# Altium PCB ASR-2DF.PcbDoc (continued)
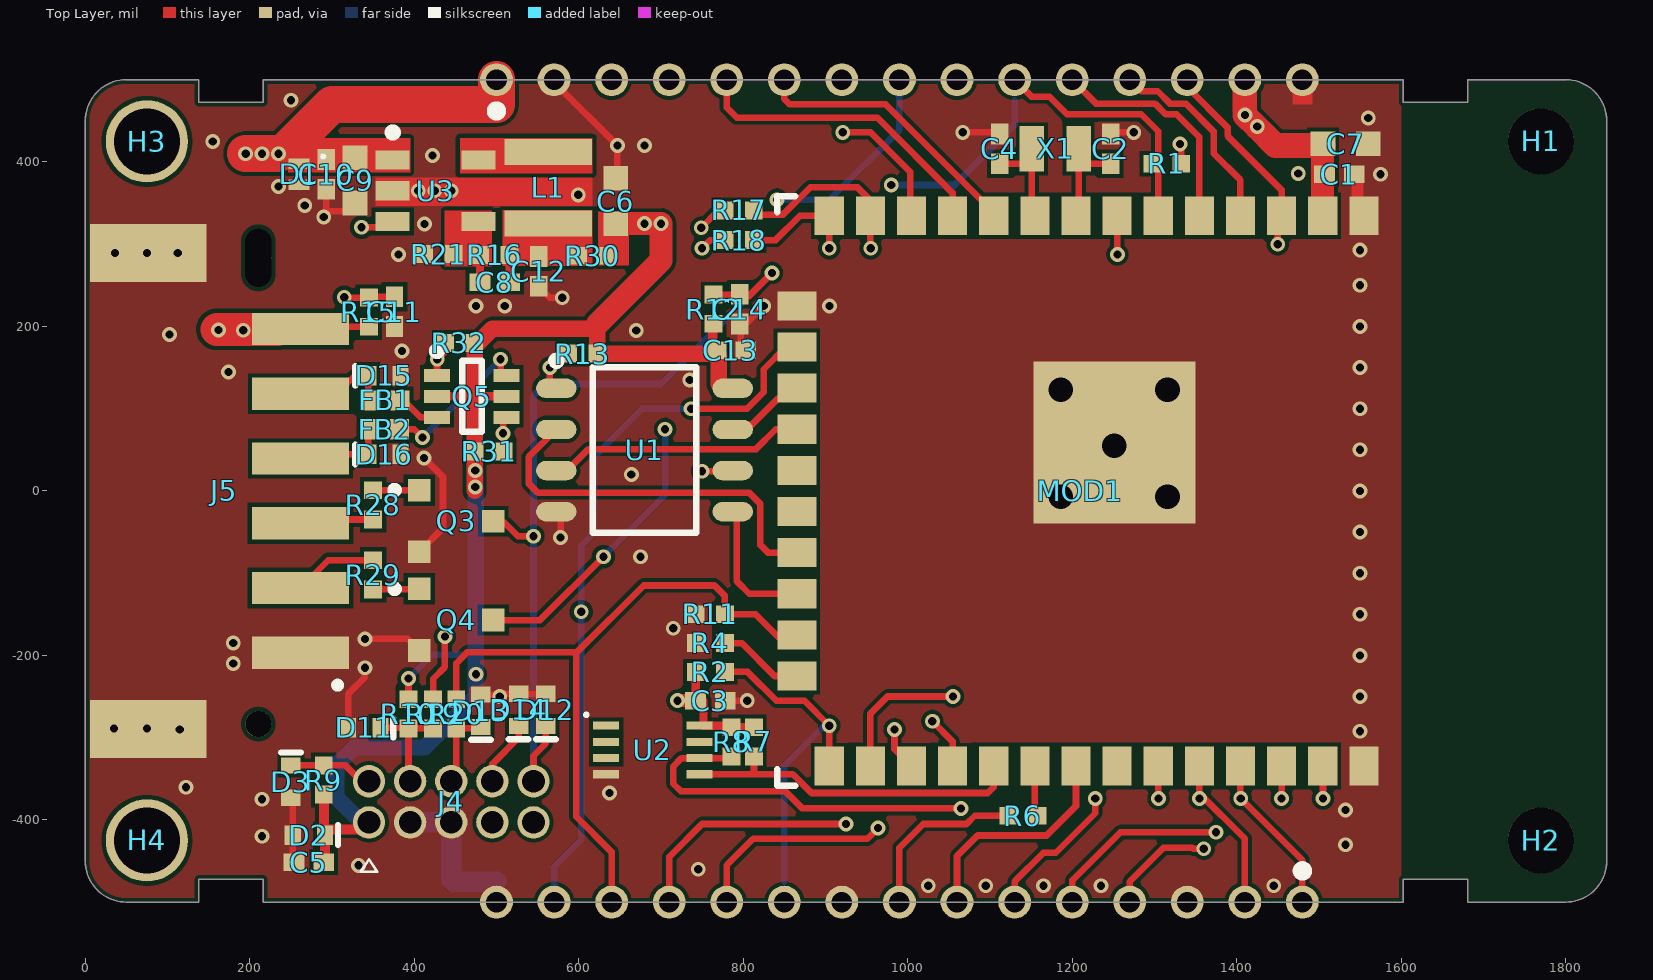
[diagram p0: Top Layer view]
## Part data
C1 C3 C10 C11 C13: library part 0402C-100n, "Capacitor 100nF X5R 50V 10% 0402", Case/Package=0402, Case Code (Metric)=1005, Dielectric=X5R, Manufacturer=Murata, Manufacturer Part Number=GRM155R61H104KE19D, Max Operating Temperature=85°C, Min Operating Temperature=-55°C, Supplier Part Number 1=81-GRM155R61H104KE9D, Tolerance=10%, Voltage=50V, Capacitance=100nF, Case Code (Imperial)=0402, Depth=0.5mm, Height=0.5mm, item_number=E-CAP-00090-00, Lead Free="Lead Free", Length=1mm, Mount="Surface Mount", Packaging="Tape and Reel", Pricing 1="1=0.1, 10=0.068, 50=0.068, 100=0.03, 1000=0.017, 10000=0.011 (USD)", REACH SVHC="No SVHC", Stock 1=727844, Supplier 1=Mouser, Thickness=0.022inch, Voltage Rating=50V, Voltage Rating (DC)=50V, Width=0.02inch
C2 C4: library part 0402C-18p, "Capacitor, 18pF, 50V, 1%, C0G", Case/Package=0402, Case Code (Metric)=1005, Dielectric=C0G, Manufacturer=Murata, Manufacturer Part Number=GJM1555C1H180FB01D, Max Operating Temperature=125°C, Min Operating Temperature=-55°C, Package Quantity=10000, Tolerance=1%, Voltage Rating=50V, Capacitance=18pF, Case Code (Imperial)=0402, Depth=0.5mm, Height=0.5mm, item_number=E-CAP-00110-00, Lead Free="Lead Free", Length=1mm, Mount="Surface Mount", Packaging="Tape and Reel", Radiation Hardening=No, REACH SVHC="No SVHC", Termination=SMD/SMT, Thickness=0.022inch, Voltage Rating (DC)=50V, Width=0.02inch
C5 C12 C14: library part 0402C-1u, "Capacitor 1uF X5R 6.3V 20% 0402", Capacitance - nF="1000 nF", Case Code - in=0402, Case Code - mm=1005, Dielectric=X5R, Manufacturer=SEM, Manufacturer Part Number=CL05A105KQ5NNNC, Maximum Operating Temperature="+ 85 C", Minimum Operating Temperature="- 55 C", Package / Case="0402 (1005 metric)", Tolerance="20 %", Voltage Rating DC="6.3 VDC", Brand=SEM, Capacitance=1uF, Category="Multilayer Ceramic Capacitors MLCC - SMD/SMT", Height="0.5 mm", item_number=E-CAP-00020-00, Length="1 mm", Minimum Order Quantity=1, Packaging="Cut Tape", Product="General Type MLCCs", Reeling=True, RoHS="RoHS Compliant", RoHS - Mouser=Y, Series=GRM, Standard Pack Qty=50000, Termination Style=SMD/SMT, Type="Chip Monolithic Ceramic Capacitor", Width="0.5 mm"
C6 C7: library part 0603C-10u, "Capacitor 10uF X5R 16V 20% 0603", Case/Package=0603, Case Code (Metric)=1608, Dielectric=X5R, Manufacturer=Murata, Manufacturer Part Number=GRM188R61C106MA73D, Max Operating Temperature=85°C, Min Operating Temperature=-55°C, Package Quantity=4000, Tolerance=20%, Voltage Rating=16V, Capacitance=10uF, Case Code (Imperial)=0603, Depth=0.8mm, Height=1mm, item_number=E-CAP-00100-00, Lead Free="Lead Free", Length=1.6mm, Material=Ceramic, Mount="Surface Mount", Packaging="Tape and Reel", REACH SVHC="No SVHC", Termination=SMD/SMT, Thickness=0.037inch, Voltage Rating (DC)=16V, Weight=0.000222oz, Width=0.8mm
C8: library part 0402C-20p, "Capacitor 20pF C0G 50V 1% 0402", Case/Package=0402, Case Code (Metric)=1005, Dielectric=C0G, Manufacturer=Murata, Manufacturer Part Number=GJM1555C1H200FB01D, Max Operating Temperature=125°C, Min Operating Temperature=-55°C, Package Quantity=10000, Tolerance=1%, Voltage Rating=50V, Capacitance=20pF, Case Code (Imperial)=0402, Depth=0.5mm, Height=0.5mm, item_number=E-CAP-00107-00, Lead Free="Lead Free", Length=1mm, Mount="Surface Mount", Packaging="Tape and Reel", Radiation Hardening=No, REACH SVHC="No SVHC", Termination=SMD/SMT, Thickness=0.022inch, Voltage Rating (DC)=50V, Width=0.02inch
C9: library part 0603C-2u2, "Capacitor 2.2uF X5R 25V 10% 0603", Case/Package=0603, Case Code (Metric)=1608, Dielectric=X5R, Manufacturer=Murata, Manufacturer Part Number=GRM188R61E225KA12D, Max Operating Temperature=85°C, Min Operating Temperature=-55°C, Package Quantity=4000, Tolerance=10%, Voltage Rating=25V, Capacitance=2.2uF, Case Code (Imperial)=0603, Depth=0.8mm, Height=0.9mm, item_number=E-CAP-00108-00, Lead Free="Lead Free", Length=1.6mm, Material=Ceramic, Mount="Surface Mount", Packaging="Tape and Reel", REACH SVHC="No SVHC", Termination=SMD/SMT, Thickness=0.037inch, Voltage Rating (DC)=25V, Weight=0.000222oz, Width=0.8mm
D1: "Diode TVS", Capacitance=0.3pF, Clamping Voltage=38V, Leakage Current=50nA, Manufacturer=Littelfuse, Max Operating Temperature=125°C, Max Power Dissipation=76W, Min Breakdown Voltage=-, Min Operating Temperature=-40°C, Operating Supply Voltage=18V, Package Quantity=10000, Peak Pulse Current=2A, Power Line Protection=Yes, Direction=Bidirectional, Element Configuration=Single, item_number=E-DIO-00011-00, Lead Free="Lead Free", Length=1mm, Manufacturer Part Number=SP3118-01ETG, Mount="Surface Mount", Number of Bidirectional Channels=1, Number of Channels=1, Number of Pins=2, Packaging="Tape and Reel", Peak Pulse Power=76W, Polarity=Bidirectional, Radiation Hardening=No, REACH SVHC="No SVHC", Reverse Standoff Voltage=18V, Termination=SMD/SMT, Working Voltage=18V
D2 D3 D11 D12 D13 D14 D15 D16: "Diode TVS", Breakdown Voltage=6.5V, Capacitance=0.5pF, Clamping Voltage=14V, Leakage Current=10nA, Manufacturer="Texas Instruments", Manufacturer Part Number=TPD1E05U06DPYR, Max Operating Temperature=125°C, Max Power Dissipation=40W, Min Breakdown Voltage=6V, Min Operating Temperature=-40°C, Operating Supply Voltage=5.5V, Package Quantity=10000, Peak Pulse Current=2.5A, Power Line Protection=Yes, Supplier Part Number 1=296-39341-1-ND, ComponentLink1Description=https://datasheet.ciiva.com/12545/tpd1e05u06-224685-12545140.pdf, ComponentLink1URL=https://datasheet.ciiva.com/12545/tpd1e05u06-224685-12545140.pdf, ComponentLink2Description=https://datasheet.ciiva.com/26918/getdatasheetpartid-700473-26918022.pdf, ComponentLink2URL=https://datasheet.ciiva.com/26918/getdatasheetpartid-700473-26918022.pdf, ComponentLink3Description=https://datasheet.ciiva.com/6574/tpd1e05u06-6574667.pdf, ComponentLink3URL=https://datasheet.ciiva.com/6574/tpd1e05u06-6574667.pdf, Direction=Unidirectional, Element Configuration=Single, Interface=LVDS,USB,Ethernet,HDMI,PCIe,SATA, item_number=E-DIO-00008-00, Lead Free="Lead Free", Length=1.1mm, Mount="Surface Mount", Number of Bidirectional Channels=1, Number of Channels=1, Number of Pins=2, Packaging="Tape and Reel", Peak Pulse Power=40W, Polarity=Bidirectional, Pricing 1="1=0.5, 10=0.372, 100=0.2107, 500=0.1395, 1000=0.107 (USD)", Radiation Hardening=No, REACH SVHC="No SVHC", Reverse Standoff Voltage=5.5V, Stock 1=161045, Supplier 1=Digi-Key, Termination=SMD/SMT, Working Voltage=5.5V
FB1 FB2: "FERRITE BEAD 120OHM 0402 1LN", Manufacturer=Murata, Manufacturer Part Number=BLM15AG121SN1D, CLASS=DISCRETE, item_number=E-IND-00038-00
H1 H2: "0.08\" Unplated Hole with 0.1\" keepout, #2 screw"
H3 H4: "0.08\" Plated Hole, #2 screw"
J2 J3: "0.07\" castellated board edge connector 15 positions"
J4: ".050 Male Header 2x5", Manufacturer Part Number=GRPB052VWVN-RC, item_number=M-CON-00016-00
J5: "JST PA-Family Vertical Header 2mm", Manufacturer=JST, Manufacturer Part Number=BM06B-PASS-1-TFT, item_number=M-CON-00088
L1: library part ASPI-0315FS-100M, "Inductor 10uH 1.1A 0.22ohm 20% 3x3", Manufacturer=Abracon, item_number=E-IND-00043-00, Manufacturer Part Number=ASPI-0315FS-100M
MOD1: "Module WIFI BLE ESP32-D0WD SPI Flash", Manufacturer=Espressif, item_number=E-ICS-00097-00, Manufacturer Part Number=ESP32-WROOM-32D, Size="25.5mm x 18mm"
Q3 Q4: "TR NPN BJT 200mA 40V", Manufacturer="On Semiconductor", Manufacturer Part Number=MMBT3904LT1G, Package/Case=SOT23, ComponentLink1Description="Manufacturer Link", ComponentLink1URL=http://www.fairchildsemi.com/, ComponentLink2Description=Datasheet, ComponentLink2URL=http://www.fairchildsemi.com/ds/2N%2F2N3904.pdf, item_number=E-TRS-00002-00
Q5: "TR 2xNFET 170mA 60V", Case/Package=SOT-363, Manufacturer=Toshiba, Manufacturer Part Number=SSM6N7002CFU.LF, item_number=E-TRS-00009-00
R1 R2 R4 R11 R12 R13 R28 R29 R31 R32: library part 0402R-10k, "Resistor 10K 50V 5% 0402", Case/Package=0402, Case Code (Metric)=1005, Manufacturer="Vishay Dale", Manufacturer Part Number=CRCW040210K0JNED, Max Operating Temperature=155°C, Max Power Dissipation=63mW, Min Operating Temperature=-55°C, Package Quantity=1, Supplier Part Number 1=541-10KJCT-ND, Temperature Coefficient=200ppm/°C, Tolerance=5%, Voltage Rating=50V, Case Code (Imperial)=0402, ComponentLink1Description=https://datasheet.ciiva.com/2461/dcrcwe3-2461974.pdf, ComponentLink1URL=https://datasheet.ciiva.com/2461/dcrcwe3-2461974.pdf, ComponentLink2Description=https://datasheet.ciiva.com/2461/dcrcwe3-2461975.pdf, ComponentLink2URL=https://datasheet.ciiva.com/2461/dcrcwe3-2461975.pdf, ComponentLink3Description=https://datasheet.ciiva.com/2461/dcrcwe3-2461976.pdf, ComponentLink3URL=https://datasheet.ciiva.com/2461/dcrcwe3-2461976.pdf, ComponentLink4Description=https://datasheet.ciiva.com/7743/dcrcwe3-7743416.pdf, ComponentLink4URL=https://datasheet.ciiva.com/7743/dcrcwe3-7743416.pdf, ComponentLink5Description=https://datasheet.ciiva.com/16771/70201119-16771096.pdf, ComponentLink5URL=https://datasheet.ciiva.com/16771/70201119-16771096.pdf, ComponentLink6Description=https://datasheet.ciiva.com/7743/dcrcwe3-7743417.pdf, ComponentLink6URL=https://datasheet.ciiva.com/7743/dcrcwe3-7743417.pdf, ComponentLink7Description=https://datasheet.ciiva.com/16761/70201119-16761947.pdf, ComponentLink7URL=https://datasheet.ciiva.com/16761/70201119-16761947.pdf, ComponentLink8Description=https://datasheet.ciiva.com/3255/dcrcwe3-3255964.pdf, ComponentLink8URL=https://datasheet.ciiva.com/3255/dcrcwe3-3255964.pdf, ComponentLink9Description=https://datasheet.ciiva.com/3255/dcrcwe3-3255965.pdf, ComponentLink9URL=https://datasheet.ciiva.com/3255/dcrcwe3-3255965.pdf, Composition="Thick Film", Contact Plating=Tin, Depth=0.5mm, Features="Automotive AEC-Q200", Height=0.016inch, item_number=E-RES-00001-00, Length=1mm, Military Standard=Not, Mount="Surface Mount", Number of Terminations=2, Packaging="Tape and Reel", Power Rating=63mW, Pricing 1="1=0.1, 10=0.031, 100=0.0125, 1000=0.0056, 2500=0.0049, 5000=0.004 (USD)", Radiation Hardening=No, REACH SVHC=Unknown, Resistance=10k, Stock 1=0, Supplier 1=Digi-Key, Termination=SMD/SMT, Weight=2.3E-05oz, Width=0.5mm
R6 R17 R18 R19 R20: library part 0402R-100R, "Resistor 100R 50V 5% 0402", Case/Package=0402, Case Code (Metric)=1005, Manufacturer=Panasonic, Manufacturer Part Number=ERJ-2GEJ101X, Max Operating Temperature=155°C, Max Power Dissipation=100mW, Min Operating Temperature=-55°C, Package Quantity=10, Temperature Coefficient=100ppm/°C, Tolerance=5%, Voltage Rating=50V, Case Code (Imperial)=0402, Composition="Thick Film", Contact Plating=Tin, Depth=0.5mm, Features="Automotive AEC-Q200", Height=0.35mm, item_number=E-RES-00008-00, Lead Free="Lead Free", Length=1mm, Military Standard=Not, Mount="Surface Mount", Number of Terminations=2, Packaging="Tape and Reel", Power Rating=100mW, Pricing 1="1=0.1, 10=0.044, 100=0.0178, 1000=0.008, 2500=0.007, 5000=0.0058 (USD)", Radiation Hardening=No, REACH SVHC=Unknown, Resistance=100, Termination=SMD/SMT, Voltage Rating (DC)=50V, Weight=2.3E-05oz, Width=0.02inch, Working Voltage=50V
R7 R8: library part 0402R-4k7, "Resistor 4.7K 50V 5% 0402", Case/Package=0402, Case Code (Metric)=1005, Manufacturer=Panasonic, Manufacturer Part Number=ERJ-2GEJ472X, Max Operating Temperature=155°C, Max Power Dissipation=100mW, Min Operating Temperature=-55°C, Package Quantity=1, Supplier Part Number 1=P4.7KJCT-ND, Temperature Coefficient=200ppm/°C, Tolerance=5%, Voltage Rating=50V, Case Code (Imperial)=0402, ComponentLink1Description=https://datasheet.ciiva.com/11821/0900766b80f806dd-11821328.pdf, ComponentLink1URL=https://datasheet.ciiva.com/11821/0900766b80f806dd-11821328.pdf, ComponentLink2Description=https://datasheet.ciiva.com/16758/70260739-16758341.pdf, ComponentLink2URL=https://datasheet.ciiva.com/16758/70260739-16758341.pdf, ComponentLink3Description=https://datasheet.ciiva.com/16770/70260739-16770309.pdf, ComponentLink3URL=https://datasheet.ciiva.com/16770/70260739-16770309.pdf, ComponentLink4Description=https://datasheet.ciiva.com/28514/1678796-28514168.pdf, ComponentLink4URL=https://datasheet.ciiva.com/28514/1678796-28514168.pdf, ComponentLink5Description=https://datasheet.ciiva.com/17213/aoa0000ce1-17213178.pdf, ComponentLink5URL=https://datasheet.ciiva.com/17213/aoa0000ce1-17213178.pdf, ComponentLink6Description=https://datasheet.ciiva.com/16523/aoa0000ce1-16523499.pdf, ComponentLink6URL=https://datasheet.ciiva.com/16523/aoa0000ce1-16523499.pdf, ComponentLink7Description=https://datasheet.ciiva.com/46377/1678796-46377565.pdf, ComponentLink7URL=https://datasheet.ciiva.com/46377/1678796-46377565.pdf, Composition="Thick Film", Contact Plating=Tin, Depth=0.5mm, Features="Automotive AEC-Q200", Height=0.35mm, item_number=E-RES-00039-00, Lead Free="Lead Free", Length=1mm, Military Standard=Not, Mount="Surface Mount", Number of Terminations=2, Packaging="Cut Tape", Power Rating=100mW, Pricing 1="1=0.1, 10=0.038, 100=0.0154, 1000=0.0069, 2500=0.006, 5000=0.005 (USD)", Radiation Hardening=No, REACH SVHC="No SVHC", Resistance=4.7k, Stock 1=10404054, Supplier 1=Digi-Key, Termination=SMD/SMT, Voltage Rating (DC)=50V, Width=0.5mm
R9 R10: library part 0402R-100k, "Resistor 100K 50V 5% 0402", Case/Package=0402, Case Code (Metric)=1005, Manufacturer=Panasonic, Manufacturer Part Number=ERJ-2GEJ104X, Max Operating Temperature=155°C, Max Power Dissipation=100mW, Min Operating Temperature=-55°C, Package Quantity=1, Supplier Part Number 1=P100KJCT-ND, Temperature Coefficient=200ppm/°C, Tolerance=5%, Voltage Rating=50V, Case Code (Imperial)=0402, ComponentLink1Description=https://datasheet.ciiva.com/11821/0900766b80f806dd-11821174.pdf, ComponentLink1URL=https://datasheet.ciiva.com/11821/0900766b80f806dd-11821174.pdf, ComponentLink2Description=https://datasheet.ciiva.com/22758/1500035-22758198.pdf, ComponentLink2URL=https://datasheet.ciiva.com/22758/1500035-22758198.pdf, ComponentLink3Description=https://datasheet.ciiva.com/34303/1986799-34303543.pdf, ComponentLink3URL=https://datasheet.ciiva.com/34303/1986799-34303543.pdf, ComponentLink4Description=https://datasheet.ciiva.com/24023/aoa0000ce1-37422-24023480.pdf, ComponentLink4URL=https://datasheet.ciiva.com/24023/aoa0000ce1-37422-24023480.pdf, ComponentLink5Description=https://datasheet.ciiva.com/16777/70260739-16777321.pdf, ComponentLink5URL=https://datasheet.ciiva.com/16777/70260739-16777321.pdf, ComponentLink6Description=https://datasheet.ciiva.com/16759/70260739-16759692.pdf, ComponentLink6URL=https://datasheet.ciiva.com/16759/70260739-16759692.pdf, ComponentLink7Description=https://datasheet.ciiva.com/48531/aoa0000ce1-48531084.pdf, ComponentLink7URL=https://datasheet.ciiva.com/48531/aoa0000ce1-48531084.pdf, ComponentLink8Description=https://datasheet.ciiva.com/9186/aoa0000ce1-9186685.pdf, ComponentLink8URL=https://datasheet.ciiva.com/9186/aoa0000ce1-9186685.pdf, ComponentLink9Description=https://datasheet.ciiva.com/30204/4aoa0000ce1-30204557.pdf, ComponentLink9URL=https://datasheet.ciiva.com/30204/4aoa0000ce1-30204557.pdf, ComponentLink10Description=https://datasheet.ciiva.com/46389/1500035-46389645.pdf, ComponentLink10URL=https://datasheet.ciiva.com/46389/1500035-46389645.pdf, Composition="Thick Film", Contact Plating=Tin, Depth=0.5mm, Features="Automotive AEC-Q200", Height=0.35mm, item_number=E-RES-00012-00, Lead Free="Lead Free", Length=1mm, Military Standard=Not, Mount="Surface Mount", Number of Terminations=2, Packaging="Tape and Reel", Power Rating=100mW, Pricing 1="1=0.1, 10=0.038, 100=0.0154, 1000=0.0069, 2500=0.006, 5000=0.005 (USD)", Radiation Hardening=No, REACH SVHC="No SVHC", Resistance=100k, Stock 1=10583442, Supplier 1=Digi-Key, Termination=SMD/SMT, Voltage Rating (DC)=50V, Width=0.02inch
R15: library part 0402R-200k, "Resistor 200K 50V 1% 0402", Case/Package=0402, Case Code (Metric)=1005, Manufacturer=Panasonic, Manufacturer Part Number=ERJ-2RKF2003X, Max Operating Temperature=155°C, Max Power Dissipation=100mW, Min Operating Temperature=-55°C, Package Quantity=1, Temperature Coefficient=200ppm/°C, Tolerance=1%, Voltage Rating=50V, Case Code (Imperial)=0402, Composition="Thick Film", Contact Plating=Tin, Depth=0.5mm, Features="Automotive AEC-Q200", Height=0.35mm, item_number=E-RES-00054-00, Lead Free="Lead Free", Length=1mm, Military Standard=Not, Mount="Surface Mount", Number of Terminations=2, Packaging="Tape and Reel", Power Rating=100mW, Radiation Hardening=No, REACH SVHC="No SVHC", Resistance=200K, Termination=SMD/SMT, Voltage Rating (DC)=50V, Width=0.02inch
R16: library part 0402R-680k, "Resistor 680K 50V 5% 0402", Case/Package=0402, Case Code (Metric)=1005, Manufacturer=Panasonic, Manufacturer Part Number=ERJ-2GEJ684X, Max Operating Temperature=155°C, Max Power Dissipation=100mW, Min Operating Temperature=-55°C, Package Quantity=1, Supplier Part Number 1=P100KJCT-ND, Temperature Coefficient=200ppm/°C, Tolerance=5%, Voltage Rating=50V, Case Code (Imperial)=0402, Composition="Thick Film", Contact Plating=Tin, Depth=0.5mm, Features="Automotive AEC-Q200", Height=0.35mm, item_number=E-RES-00093-00, Lead Free="Lead Free", Length=1mm, Military Standard=Not, Mount="Surface Mount", Number of Terminations=2, Packaging="Tape and Reel", Power Rating=100mW, Radiation Hardening=No, REACH SVHC="No SVHC", Resistance=680k, Stock 1=10583442, Supplier 1=Digi-Key, Termination=SMD/SMT, Voltage Rating (DC)=50V, Width=0.02inch
R21: library part 0402R-200k, "Resistor 200K 50V 1% 0402", Case/Package=0402, Case Code (Metric)=1005, Manufacturer=Panasonic, Manufacturer Part Number=ERJ-2RKF2003X, Max Operating Temperature=155°C, Max Power Dissipation=100mW, Min Operating Temperature=-55°C, Package Quantity=1, Resistance=200K, Temperature Coefficient=200ppm/°C, Tolerance=1%, Voltage Rating=50V, Case Code (Imperial)=0402, Composition="Thick Film", Contact Plating=Tin, Depth=0.5mm, Features="Automotive AEC-Q200", Height=0.35mm, item_number=E-RES-00054-00, Lead Free="Lead Free", Length=1mm, Military Standard=Not, Mount="Surface Mount", Number of Terminations=2, Packaging="Tape and Reel", Power Rating=100mW, Radiation Hardening=No, REACH SVHC="No SVHC", Termination=SMD/SMT, Voltage Rating (DC)=50V, Width=0.02inch
R30: library part 0402R-0R0, "Resistor 0R 50V 1% 0402", Case/Package=0402, Case Code (Metric)=1005, Manufacturer=Yageo, Manufacturer Part Number=RC0402FR-070RL, Max Operating Temperature=155°C, Min Operating Temperature=-55°C, Power Rating=62.5mW, Resistance=0mR, Supplier Part Number 1=603-RC0402FR-070RL, Temperature Coefficient=200ppm/°C, Tolerance=1%, Voltage Rating=50V, Case Code (Imperial)=0402, ComponentLink1Description=https://datasheet.ciiva.com/8896/pyu-rc0402-51-rohs-l-6-8896149.pdf, ComponentLink1URL=https://datasheet.ciiva.com/8896/pyu-rc0402-51-rohs-l-6-8896149.pdf, ComponentLink2Description=https://datasheet.ciiva.com/16790/pyu-rc0402-51-rohs-l-6-r-16790444.pdf, ComponentLink2URL=https://datasheet.ciiva.com/16790/pyu-rc0402-51-rohs-l-6-r-16790444.pdf, ComponentLink3Description=https://datasheet.ciiva.com/28419/pyu-rc0402-51-rohs-l-6-28419661.pdf, ComponentLink3URL=https://datasheet.ciiva.com/28419/pyu-rc0402-51-rohs-l-6-28419661.pdf, ComponentLink4Description=https://datasheet.ciiva.com/16869/pyu-rc0402-51-rohs-l-6-16869518.pdf, ComponentLink4URL=https://datasheet.ciiva.com/16869/pyu-rc0402-51-rohs-l-6-16869518.pdf, Composition="Thick Film", Contact Plating=Tin,Matte, Height=0.35mm, item_number=E-RES-00006-00, Lead Free="Lead Free", Length=1mm, Packaging="Tape and Reel", Pricing 1="1=0.1, 10=0.01, 50=0.01, 100=0.003, 1000=0.002, 10000=0.002 (USD)", Radiation Hardening=No, Stock 1=240535, Supplier 1=Mouser, Termination=SMD/SMT, Width=0.5mm
TP1 TP2 TP3 TP4 TP5 TP6 TP7 TP8 TP9: "1mm Test Point", item_number=item_name
U1: "Memory SPI/QPI PSRAM 8MB SOIC8 150mil", Manufacturer=IPUS, Manufacturer Part Number=IPS6404L-SQ-SPN, Package / Case="8 SOIC 150mil", item_number=E-ICS-00099-00
U2: "Afero Custom CryptoAuthentication Device", Manufacturer="Microchip / Atmel", Manufacturer Part Number=ATECC508A-MAHKN-T, Max Operating Temperature=85°C, Min Operating Temperature=-40°C, Supplier Part Number 1=ATECC508A-MAHDA-TCT-ND, item_number=E-ICS-00072-00, Mount="Surface Mount", Packaging="Tape and Reel", Pricing 1="1=0.35, 25=0.32, 100=0.29 (USD)", Stock 1=4638, Supplier 1=Digi-Key
U3: "Voltage Regulator 0.5A 500KHz Buck", Manufacturer=Torex, Package / Case=SOT25, item_number=E-ICS-00096-00, Manufacturer Part Number=XC9264B755MR
X1: library part ABS06-32.768KHZ-T, "Crystal, 32.768kHz ±20ppm", Case/Package=SMD/SMT, ESR (Equivalent Series Resistance)=90kR, Frequency Stability=20ppm, Insulation Resistance=500MR, Load Capacitance=12.5pF, Manufacturer=Abracon, Max Operating Temperature=85°C, Min Operating Temperature=-40°C, Package Quantity=3000, Supplier Part Number 1=535-10104-1-ND, ComponentLink1Description=http://www.farnell.com/datasheets/1796520.pdf, ComponentLink1URL=http://www.farnell.com/datasheets/1796520.pdf, ComponentLink2Description=https://abracon.com/Support/PackageDrawing/Resonators/ABS06.PDF, ComponentLink2URL=https://abracon.com/Support/PackageDrawing/Resonators/ABS06.PDF, ComponentLink3Description=http://www.farnell.com/datasheets/1912788.pdf, ComponentLink3URL=http://www.farnell.com/datasheets/1912788.pdf, ComponentLink4Description=http://www.abracon.com/Resonators/ABS06.pdf, ComponentLink4URL=http://www.abracon.com/Resonators/ABS06.pdf, Depth=1.2mm, Frequency=32.768kHz, Frequency Tolerance=20ppm, Height=0.024inch, item_number=E-XTL-00012-00, Lead Free="Lead Free", Length=2mm, Manufacturer Part Number=ABS06-32.768KHZ-T, Mount="Surface Mount", Number of Pins=2, Packaging="Tape and Reel", Pricing 1="1=1.34, 10=1.277, 50=1.2474, 100=1.0692, 500=1.0395, 1000=0.8762 (USD)", Radiation Hardening=No, REACH SVHC="No SVHC", Series Resistance=90kR, Stock 1=65982, Supplier 1=Digi-Key, Termination=SMD/SMT, Tolerance=20ppm, Width=1.2mm

## Via types
v1: diameter 18, hole 10, Top Layer to Bottom Layer, tented both sides, 126 vias
v2: diameter 40, hole 30, Top Layer to Bottom Layer, 5 vias

## Nets (pads, with @x,y where several pads share a name; then routed paths per layer and width w, separated by ;. In a path a pad name is that pad's centre, name@x,y a point inside that pad or via, vN(x,y) a via of type N, cw(c..) or ccw(c..) an arc to the next point about the centre after c; other vN are vias at no path point)
3V3: C1.1 C3.1 C5.1 C6.1 C7.1 C13.1 D2.1 J2.14 J4.1 MOD1.2 Q5.2 Q5.5 R1.1 R2.1 R7.1 R8.1 R9.1 R10.1 R12.1 R13.1 R30.1 R31.1 R32.1 TP2.1 U1.8 U2.8 | length 3243.3
  Top Layer w8: D2.1@290.18,-415.17 D2.1@291.54,-416.54 ; R10.1 v1(393,-228) ; R32.1 R32.1@473.45,179.27 ; R30.1@626.77,290 R30.1@627.4,289.37 ; U2.8@751.69,-285.47 U2.8@751.89,-285.27 ; R8.1@783.82,-285.47 R8.1 ; v1(1331,422) 1331,422.57 1330,423.57 1332.72,426.28 R1.1
  Top Layer w10: Q5.2 473.45,115 Q5.5 ; R2.1 742.28,-254.61 C3.1 751.89,-255 U2.8@751.89,-285.27 ; U2.8@751.69,-285.47 R8.1@783.82,-285.47 ; R8.1 R7.1
  Top Layer w12: D2.1@290.18,-415.17 R9.1@290.18,-374.25 ; 291.54,-438.41 D2.1 ; D2.1@291.54,-411.54 336.46,-411.54 J4.1 ; C13.1@763,172.62 R12.1@763,202.28
  Top Layer w16: v1(720,-255) C3.1
  Top Layer w20: v1@473.45,0 R31.1 ; R31.1@473.45,54.37 473.45,115 R32.1@473.45,175.73 ; R32.1@473.45,179.27 R32.1@473.45,175.73 ; R13.1 C13.1@766.89,167 ; R13.1@622.72,175 622.72,197 ; 622.72,202.72 622.72,197 ; U1.8@770,130 C13.1@770,165 ; R32.1@473.45,175.73 494.72,197 622.72,197
  Top Layer w28: 622.72,202.72 700,280 v1(700,325) v1(680,325) C6.1 ; MOD1.2 C7.1@1504.64,412.34
  Top Layer w30: J2.14@1410,500 v1(1410,457) 1425,442 1447,420 C7.1@1505,420
  Signal Layer 2 w8: 1330,404 1331,405 v1(1331,422)
  Signal Layer 2 w14: v1(475,-223) 522,-223 554,-255 v1(720,-255)
  Signal Layer 2 w35: v1(680,325) v1(700,325) 700,335 769,404 1330,404 1381,404 1410,433 v1(1410,457) J2.14@1410,500
  Bottom Layer w8: v1(393,-228) 422,-199 475,-199
  Bottom Layer w20: J4.1 335.75,-403 305,-372.25 305,-334 327,-312 412.82,-312 475,-249.82 v1(475,-223) 475,-199 475,4 v1(474.28,4.72) v1(474.28,24.72)
  Bottom Layer w30: v1(1410,457) 1424,443 v1(1425,443)
BM_SEL: J3.10 MOD1.25 R2.2 TP6.1 | length 419
  Top Layer w8: R2.2 805.27,-220 840.27,-255 874.17,-255 v1(904.64,-285.47) MOD1.25
  Bottom Layer w8: TP6.1 850,-334 898.53,-285.47 v1(904.64,-285.47)
EN_3V3: C11.1 R15.2 U3.3 | length 178.5
  Top Layer w8: v1@314.87,235.06 R15.2 ; v1(336,320.63) U3.3@359.87,320.63 ; R15.2@344.47,236.22 344.87,235.83 345.26,236.22 C11.1@374.87,236.22
  Signal Layer 2 w8: v1(315,235.46) 315,299.63 v1(336,320.63)
FACTORY_MODE_N: J2.10 MOD1.6 Q4.3 R1.2 TP7.1 | length 1376.9
  Top Layer w8: Q4.3 553,-157 v1(630,-80) ; J2.10@1130,500 1150.52,479.48 1172.08,479.48 1193.55,458 1284,458 1304.64,437.36 MOD1.6
  Signal Layer 2 w8: v1(705,75) 705,210 779,284 779,341 810,372 v1(980,372)
  Bottom Layer w8: v1(630,-80) 705,-5 v1(705,75) ; v1(980,372) 1054.57,372 1055.78,370.78 1130,445 TP7.1
GND: C1.2 C2.2 C3.2 C4.2 C5.2 C6.2 C7.2 C9.2 C10.2 C11.2 C12.2 C13.2 C14.2 D1.2 D2.2 D3.2 D11.2 D12.2 D13.2 D14.2 D15.2 D16.2 J2.2 J2.15 J3.3 J3.9 J3.15 J4.3 J4.5 J5.1 J5.7 J5.8 MOD1.1 MOD1.15 MOD1.38 MOD1.39 Q3.2 Q4.2 R4.2 R11.2 R21.1 TP1.1 U1.4 U2.4 U3.2 | length 1114.7
  Top Layer w8: D3.2 252.17,-375.36 D2.2 252.17,-449.82 C5.2 ; v1(290,333) 293,336 C10.2 ; 297,340 316,340 C9.2@326,350 ; D11.2 319.63,-247 340,-226.63 v1(340,-215) ; v1(340,-180) 392.11,-180 Q4.2 ; Q3.2 435,-45.11 435,16.84 v1(411.84,40) ; D13.2 501.63,-247.63 502.63,-246.63 D14.2 D12.2 ; C12.2 565.11,235 v1(580,235) ; J2.2@570,500 570,497 v1(647,420) 647,389.68 C6.2@637.32,380 ; U1.4 578,-30.57 v1(578,-56.78) ; C3.2 v1(805,-255) ; C14.2@795.28,200.36 C14.2@797.28,200.36 ; C13.2@797.28,174.83 C14.2@797.28,200.36 ; v1(825,225) 800.36,200.36 C14.2@797.28,200.36 ; v1(1066.98,436) 1106.11,436 C4.2@1108,434.11 ; C2.2@1251,434.11 1251.11,434 1254.11,437 1255.11,436 v1(1275,436)
  Top Layer w15: MOD1.1@1547,346.17 C1.2@1547,385
  Bottom Layer w25: J4.3 J4.5 445,-472.44 447.56,-475 J3.15@500,-475
  other v1: 1025,-480 1095,-480 1165,-480 1235,-480 1445,-480 745.46,-460 332.32,-455.28 1532.32,-430.28 215,-420 1532.32,-388.08 215,-375 637.32,-367.28 122.32,-360.28 1550,-292.15 115,-290 35,-289 75,-289 504,-250 1550,-250 180,-210 1550,-200 180,-185 715,-167 1550,-150 1550,-100 675,-80 1550,-50 1550,0 664,20 1550,50 1550,100 734.95,134.72 174.32,144.72 1550,150 385,170 102.32,190.11 670,195.11 1550,200 475,225 510,225 905,225 1550,250 381,287.59 36,289.4 75,289.4 112.32,289.4 1550,292.78 412.32,324.72 266.87,347 599.49,360 405,365 425,365 445,365 235,370 1575,385.15 1475,386 422.32,407.72 680,420 155,425 1560,453.61 250,475
  other v2: 1186,-7 1316,-7 1251,55 1186,123 1316,123
HOST_INT_N: J3.5 MOD1.36 | length 361.6
  Top Layer w8: J3.5@1200,-500 1200,-473.74 1258.74,-415 v1(1375,-415) ; v1(1454.64,-374) MOD1.36
  Signal Layer 2 w8: v1(1375,-415) 1413.64,-415 v1(1454.64,-374)
HOST_UART_RX: J3.1 MOD1.35 Q5.4 R31.2 TP4.1 | length 1499.1
  Top Layer w8: R31.2 508,48.88 v1(508,70) 508,85.09 Q5.4 ; MOD1.35 1404.64,-368.64 v1@1405,-369 ; v1(1405,-374) 1480,-449 J3.1@1480,-500
  Signal Layer 2 w8: v1(508,70) 573,70 840,-197 840,-395 900,-455 1295,-455 1358,-392 1376,-392 1394,-374 v1(1405,-374)
HOST_UART_TX: J3.2 MOD1.34 Q5.1 R32.2 TP3.1 | length 1571.5
  Top Layer w8: Q5.1 427.68,159.68 v1(428,160) 437.28,169.28 R32.2 ; MOD1.34 1354.64,-367.64 v1@1355,-368 ; v1(1355,-374) v1@1355,-368 ; J3.2@1410,-500 1410,-423 v1@1355,-368
  Signal Layer 2 w8: v1(428,160) 481.7,106.3 603.7,106.3 864,-154 864,-386 912,-434 1284.21,-434 1344.21,-374 v1(1355,-374)
IO0: J2.5 MOD1.11 | length 379.2
  Top Layer w8: J2.5@780,500 780,466.06 792.06,454 963,454 1054.64,362.36 MOD1.11
IO1: J2.6 MOD1.10 | length 339.2
  Top Layer w8: J2.6@850,500 850,476.62 856.62,470 973.35,470 1104.64,338.71 MOD1.10
IO2: J2.7 MOD1.12 | length 236.3
  Top Layer w8: J2.7@920,486 J2.7@920,500 ; v1(921,436) 955,436 1003,388 1003,336.28 MOD1.12
  Signal Layer 2 w8: J2.7@920,500 921,501 v1(921,436)
IO3: J2.8 MOD1.26 | length 1143.1
  Top Layer w8: MOD1.26 954.64,-270.81 975.45,-250 v1(1055,-250)
  Signal Layer 2 w8: v1(841,354) 838,354 804,320 804,161 1055,-90 v1(1055,-250)
  Bottom Layer w8: v1(841,354) 905,354 990,439 990,475 J2.8@990,500
MTCK: J3.14 MOD1.16 R19.1 | length 1127
  Top Layer w8: R19.1 423,-228.28 437.28,-214 v1(437.28,-177) ; v1(736.69,100) 804.79,100 825,120.21 825,147.91 MOD1.16@852.09,175
  Signal Layer 2 w8: v1(437.28,-177) 572,-177 602,-147 v1(603,-147)
  Bottom Layer w8: J3.14@570,-500 570,-475 570,-457 603,-424 v1(603,-147) 603,-67 619,-51 619,42 677,100 v1(736.69,100)
MTDI: J3.12 MOD1.14 R18.1 | length 1280.2
  Top Layer w8: J3.12@710,-500 710,-445 750,-405 v1(925,-405) ; R18.1 839.31,305 868.96,334.65 MOD1.14 v1(904.64,295)
  Signal Layer 2 w8: v1(904.64,295) 1045,154.64 1045,-15 1085,-55 1085,-260 1024,-321 1009,-321 v1(925,-405)
MTDO: J3.13 MOD1.23 R11.1 R20.1 | length 852.9
  Top Layer w8: R20.1 451.01,-209.71 464.72,-196 597,-196 597,-396 640,-439 J3.13@640,-500 ; 598,-196 679,-115 765,-115 777.72,-127.72 R11.1 815,-150 845,-180 MOD1.23@860.27,-180
MTMS: J3.11 MOD1.13 R17.1 | length 1310.2
  Top Layer w8: J3.11@780,-500 780,-455 812,-423 951,-423 v1(964,-410) ; R17.1 817.72,336 848.46,336 881.46,369 939,369 954.64,353.36 954.64,295.36 v1(955,295)
  Signal Layer 2 w8: v1(955,295) 1080,170 1080,24.72 1111,-6.28 1111,-279 1050,-340 1034,-340 v1(964,-410)
NC1: J2.9
NC2: J2.4
NC3: J2.3
NetC2_1: C2.1 MOD1.8 X1.2 | length 125.7
  Top Layer w8: MOD1.8 1208,338.01 X1.2@1208,397.89 ; X1.2 X1.2@1208,397.89 ; C2.1@1251,397.89 C2.1 X1.2@1208,397.89
NetC4_1: C4.1 MOD1.9 X1.1 | length 125.9
  Top Layer w8: C4.1@1108,397.89 C4.1 X1.1@1150.91,397.89 ; X1.1 X1.1@1150.91,397.89 ; X1.1@1151,397.89 X1.1@1150.91,397.89 ; MOD1.9 1150.91,338.37 X1.1@1150.91,397.89
NetC8_1: C8.1 C12.1 L1.2 R16.2 R30.2 | length 168.6
  Top Layer w8: R16.2@509.4,288.11 516.11,281.4 516.11,285.61 515.72,286 550.33,286 C12.1 ; L1.2@560,325 551.33,316.33 C12.1 ; R30.2 598.28,285 C12.1
  Top Layer w10: C8.1@516.11,255 R16.2@516.11,281.4
NetC8_2: C8.2 R16.1 R21.2 U3.4 | length 31.2
  Top Layer w10: C8.2@479.89,255 479.89,285.61 R16.1@480.28,286
NetD3_1: D3.1 J4.2 R9.2 R17.2 | length 1171.5
  Top Layer w8: D3.1 R9.2 316.57,-333.82 J4.2@344.28,-361.54 ; v1(749,320) 770,341 R17.2
  Signal Layer 2 w8: J4.2@344.28,-361.54 300,-317.25 300,115 440,255 684,255 v1(749,320)
NetD11_1: D11.1 J4.4 R10.2 R19.2 | length 129.4
  Top Layer w8: D11.1 392.28,-288 R10.2 ; J4.4 393,-351 R10.2 ; R19.2 R10.2
NetD13_1: D13.1 J4.6 R20.2 | length 97.5
  Top Layer w8: J4.6 451,-347 R20.2 479.28,-288.72 D13.1
NetD14_1: D14.1 J4.8 R18.2 | length 1119.4
  Top Layer w8: J4.8 495,-332 527,-300 D14.1 ; v1(750,295) 760,305 R18.2
  Signal Layer 2 w8: J4.8 441,-299 412,-299 363,-250 363,121 444,202 564.6,202 579.6,217 672,217 v1(750,295)
  Bottom Layer w8: J4.8@494.28,-361.54 J4.8@496.41,-359.41
NetD15_1: D15.1 FB1.1 J5.5 | length 113.4
  Top Layer w8: J5.5 305.9,118.12 327.78,140 D15.1 ; FB1.1@344,113.09 D15.1@344,135
NetD16_1: D16.1 FB2.1 J5.4 | length 105.9
  Top Layer w8: J5.4@266.62,44.37 D16.1 FB2.1@344,72.91
NetFB1_2: FB1.2 Q5.3 | length 48.9
  Top Layer w8: FB1.2@387.32,110 407.91,89.41 Q5.3
NetFB2_2: FB2.2 Q5.6 | length 178.7
  Top Layer w8: FB2.2 400,75 v1(410,65) ; Q5.6@505,147.91 v1(505,160)
  Bottom Layer w8: v1(410,65) v1(505,160)
NetJ2_11: J2.11 MOD1.5 | length 279.2
  Top Layer w8: J2.11@1200,500 1229,471 1300.62,471 1313.62,458 1327,458 1354.64,430.36 MOD1.5
NetJ2_12: J2.12 MOD1.4 | length 251.3
  Top Layer w8: J2.12@1277.28,500 1270,500 1284,486 1304,486 1319,471 1338,471 1372,437 1372,410.64 1404.64,378 MOD1.4
NetJ5_2: J5.2 R29.1 | length 102.4
  Top Layer w8: J5.2 295.43,-84.28 R29.1
NetJ5_3: J5.3 R28.1 | length 90.3
  Top Layer w8: J5.3 266.25,-34.72 R28.1
NetL1_1: L1.1 U3.5
NetMOD1_24: MOD1.24 R4.1 | length 94.1
  Top Layer w8: R4.1 798.16,-185 838.16,-225 MOD1.24@855.27,-225
NetQ3_1: Q3.1 R28.2 | length 55.8
  Top Layer w8: R28.2 Q3.1@405.83,0.72
NetQ4_1: Q4.1 R29.2 | length 55.4
  Top Layer w8: R29.2 Q4.1@405.39,-119.72
QPI_CK: MOD1.28 U1.6 | length 573.2
  Top Layer w8: v1(750,24) 786.57,24 U1.6 ; v1(1030,-280) 1054.64,-304.64 MOD1.28 ; MOD1.28@1055,-338 MOD1.28@1055,-334.65
  Signal Layer 2 w8: v1(750,24) 830,24 1021,-167 1022,-167 1022,-272 v1(1030,-280)
QPI_CS: MOD1.27 R13.2 U1.1 | length 747.4
  Top Layer w8: U1.1@565,132.43 v1(565,150) 580,165 R13.2@587.28,165 ; v1(984,-290) 984,-314.01 MOD1.27
  Signal Layer 2 w8: v1(565,150) 594.88,150 594.94,150.06 757,-12 786,-12 984,-210 v1(984,-290)
QPI_DI: MOD1.22 U1.5 | length 158.9
  Top Layer w8: U1.5@792.28,-30.28 792.28,-110 807.28,-125 MOD1.22
QPI_DO: MOD1.21 U1.2 | length 470
  Top Layer w8: U1.2 539.11,41.11 539.11,8.89 550,-2 807.14,-2 820.89,-15.75 820.89,-65.89 830,-75 MOD1.21
QPI_HD: MOD1.17 U1.7 | length 90.2
  Top Layer w8: U1.7@793.77,81.2 U1.7 804.72,74.72 842.43,112.43 MOD1.17@852.7,112.43
QPI_WP: MOD1.18 U1.3 | length 313.4
  Top Layer w8: U1.3 585.77,24.72 611.97,50.91 815.59,50.91 839.67,75 MOD1.18
RESET_N: C14.1 D12.1 J2.13 J4.10 MOD1.3 Q3.3 R12.2 TP5.1 | length 1942.7
  Top Layer w8: Q3.3 504.11,-45 510.11,-39 526.11,-55 v1(545,-55) ; J4.10 545,-322 560,-307 D12.1 ; R12.2@763.61,236 R12.2@763.78,235.83 ; R12.2@766.53,238.58 C14.1@795.28,238.58 ; C14.1@795.28,236.58 806.58,236.58 v1(835,265) ; J2.13@1340,500 1340,491 1389,442 1389,431.64 1454.64,366 MOD1.3 ; v1(1450,300) MOD1.3@1450,330.01
  Signal Layer 2 w8: v1(835,265) 912,342 1408,342 v1(1450,300)
  Bottom Layer w8: J4.10 v1(545,-55) 545,115.72 559.28,130 700,130 v1(835,265)
SCL: MOD1.33 R8.2 U2.6 | length 751.2
  Top Layer w8: R8.2 778.97,-322.88 777,-324.84 U2.6 725.16,-324.84 715,-335 715,-356 724,-365 851,-365 872,-386 v1(1065,-386) ; MOD1.33 1304.64,-372.64 1305,-373 v1(1305,-374)
  Signal Layer 2 w8: v1(1065,-386) 1074,-395 1283,-395 1304,-374 v1(1305,-374)
SDA: MOD1.29 R7.2 U2.5 | length 415.1
  Top Layer w8: U2.5@751.69,-344.53 813.11,-344.53 ; R7.2 813.11,-342.64 ; MOD1.29 1104.64,-360 1097.37,-367.27 883.19,-367.27 860.45,-344.53 815,-344.53 ; 813.11,-344.53 815,-344.53 ; 813.11,-344.53 813.11,-342.64 ; 813.11,-342.64 815,-344.53
SPI_CS: J3.6 MOD1.7 | length 1012.1
  Top Layer w8: J3.6@1130,-500 1130,-475 1165,-440 1180,-440 1228,-392 v1(1228,-374) ; MOD1.7 1254.64,287.95 v1(1255,287.59)
  Signal Layer 2 w8: v1(1228,-374) 1228,-352.25 1140.75,-265 1140.75,249.22 1179.12,287.59 v1(1255,287.59)
SPI_MISO: J3.7 MOD1.31 TP8.1 | length 274.4
  Top Layer w8: J3.7@1060,-500 1060,-444 1085,-419 1168.85,-419 1204.64,-383.21 MOD1.31
SPI_MOSI: J3.4 MOD1.37 TP9.1 | length 332.2
  Top Layer w8: J3.4@1270,-500 1270,-475 1311,-434 1346,-434 1347,-435 v1(1360,-435) ; MOD1.37@1504.64,-345.36 1505,-345 v1(1505,-374)
  Signal Layer 2 w8: v1(1360,-435) 1421,-435 1482,-374 v1(1505,-374)
SPI_SCLK: MOD1.30 R6.2 | length 53.4
  Top Layer w8: R6.2@1154.64,-388.08 MOD1.30
SPI_SCLK_R: J3.8 R6.1 | length 214.4
  Top Layer w8: J3.8@990,-500 990,-434 1019,-405 1071.46,-405 1081.46,-395 R6.1
VIN: C9.1 C10.1 D1.1 J2.1 J5.6 R15.1 U3.1 | length 816.5
  Top Layer w8: J5.6@233.51,196.4 J5.6@261.35,199.31 ; J5.6@264.25,199.63 R15.1
  Top Layer w40: v1@160,196.4 J5.6@233.51,196.4
  Top Layer w45: v1(195,410) v1(215,410) v1(235,410) ; 243.9,413.9 300,470 500,470 J2.1@500,500
  Signal Layer 2 w45: v1@163,197.36 163,380 v1@193,410 ; v1@170,195.46 v1@190,195.46 ; v1(195,410) v1(215,410) v1(235,410)
  other v1: 192,195.46 162,195.81
pads on no net: H1.H H2.H H3.H H4.H J4.7 J4.9 J5.9 J5.10 MOD1.19 MOD1.20 MOD1.32 U2.1 U2.2 U2.3 U2.7

## Polygon pours and split planes (outlines as drawn)
GND on Bottom Layer "GND_L04_P002" (solid, remove dead copper, pour order 2): 1600,500 1600,-500 0,-500 0,500
GND on Signal Layer 1 "GND_L02_P004" (solid, remove dead copper, pour order 4): 0,500 0,-500 1600,-500 1600,500
GND on Signal Layer 2 "GND_L03_P007" (solid, remove dead copper, pour order 7): 0,500 0,-500 1600,-500 1600,500
GND on Top Layer "GND_L01_P000" (solid, remove dead copper, pour order 0): 1600,500 1600,-500 0,-500 0,500

## Keep-outs
Keep-Out Layer:
  the board outline again, w0.5

## Other copper
Top Layer:
  rectangle net GND: 1468,470 1492,490
  region net GND: 353.47,380.75 616.53,380.75 616.53,347 353.47,347
  region net 3V3: 624,339.5 624,274.5 661,274.5 661,339.5
  region net VIN: 395,429 246.63,429 246.63,387.5 395,387.5
  region net NetL1_1: 616.28,429 616.28,386 455.72,386 455.72,429
  region net NetC8_1: 507.78,341.05 507.78,274 616.22,274 616.22,341.05
  region net NetC8_2: 437,340.52 494,340.52 494,273.48 437,273.48

## Silkscreen, mask and mechanical layers (free items; w line width, h text height)
Bottom Overlay:
  drawing of 1346 lines, arcs and shapes, not listed
  text "IO0" at 768,384 h40 r270
  text "IO1" at 838,384 h40 r270
  text "IO2" at 908,384 h40 r270
  text "IO3" at 976,384 h40 r270
  text "VIN" at 489,379 h40 r270
  text "3V3" at 1396,372 h40 r270
  text "GND" at 557,362 h40 r270
  text "GND" at 1470,358 h40 r270
  text "RST_N" at 1330,326 h40 r270
  text "RSVD_2" at 1190,304 h40 r270
  text "RSVD_1" at 1260,304 h40 r270
  text "FACT_MD_N" at 1117,231 h40 r270
  text "ASR-2DF" at 326.77,-82.68 h78.74
  text "PVT" at 326.77,-142.68 h50
  text "MTCK" at 577,-430 h40 r270
  text "MTDO" at 628,-430 h40 r270
  text "MTDI" at 698,-430.28 h40 r270
  text "MTMS" at 768,-430 h40 r270
  text "SCS" at 1118,-430.28 h40 r270
  text "H_INT" at 1189,-430.28 h40 r270
  text "BM_SEL" at 838,-430.82 h40 r270
  text "GND" at 908,-431 h40 r270
  text "SCLK" at 980,-431 h40 r270
  text "MISO / D_TX" at 1049.75,-431 h40 r270
  text "MOSI / D_RX" at 1258,-431 h40 r270
  text "H_TXD" at 1400,-431 h40 r270
  text "H_RXD" at 1468,-431 h40 r270
  text "GND" at 1327,-432 h40 r270
  text "GND" at 461,-477 h40
Mechanical 1:
  drawing of 303 lines, arcs and shapes, not listed
  text "Layer" at -109.42,3977 h60
  text "Name" at 300.49,3977 h60
  text "Material" at 1240.23,3977 h60
  text "Thickness" at 2100,3977 h60
  text "Constant" at 2749.84,3977 h60
  text "Board Layer Stack" at 3319.7,3977 h60
  text "1" at -109.42,3857 h60
  text "Top Overlay" at 300.49,3857 h60
  text "2" at -109.42,3737 h60
  text "Top Solder" at 300.49,3737 h60
  text "Solder Resist" at 1240.23,3737 h60
  text "0.40mil" at 2100,3737 h60
  text "3.5" at 2749.84,3737 h60
  text "3" at -109.42,3617 h60
  text "Top Layer" at 300.49,3617 h60
  text "Copper" at 1240.23,3617 h60
  text "1.40mil" at 2100,3617 h60
  text "4" at -109.42,3497 h60
  text "Dielectric 1" at 300.49,3497 h60
  text "FR408" at 1240.23,3497 h60
  text "6.70mil" at 2100,3497 h60
  text "3.67" at 2749.84,3497 h60
  text "5" at -109.42,3377 h60
  text "Signal Layer 1" at 300.49,3377 h60
  text "Copper" at 1240.23,3377 h60
  text "0.70mil" at 2100,3377 h60
  text "6" at -109.42,3257 h60
  text "Dielectric 3" at 300.49,3257 h60
  text "FR408" at 1240.23,3257 h60
  text "15.00mil" at 2100,3257 h60
  text "3.67" at 2749.84,3257 h60
  text "7" at -109.42,3137 h60
  text "Signal Layer 2" at 300.49,3137 h60
  text "Copper" at 1240.23,3137 h60
  text "0.70mil" at 2100,3137 h60
  text "8" at -109.42,3017 h60
  text "Dielectric 2" at 300.49,3017 h60
  text "FR408" at 1240.23,3017 h60
  text "6.70mil" at 2100,3017 h60
  text "3.67" at 2749.84,3017 h60
  text "9" at -109.42,2897 h60
  text "Bottom Layer" at 300.49,2897 h60
  text "Copper" at 1240.23,2897 h60
  text "1.40mil" at 2100,2897 h60
  text "10" at -109.42,2777 h60
  text "Bottom Solder" at 300.49,2777 h60
  text "Solder Resist" at 1240.23,2777 h60
  text "0.40mil" at 2100,2777 h60
  text "3.5" at 2749.84,2777 h60
  text "11" at -109.42,2657 h60
  text "Bottom Overlay" at 300.49,2657 h60
  text "Vias are to be filled. / Lead free ENIG finish." at -110,-835 h100
Drill Drawing:
  circle w10: c-90.26,2367.33 r20
  circle w10: c-90.26,2367.33 r33.33
  circle w10: c-90.26,2217.33 r33.33
  lines w10: -123.59,1284 -123.59,1300.67 -106.93,1317.33 -123.59,1334 -123.59,1350.67 -106.93,1350.67 -90.26,1334 -73.59,1350.67 -56.93,1350.67 -56.93,1334 -73.59,1317.33 -56.93,1300.67 -56.93,1284 -73.59,1284 -90.26,1300.67 -106.93,1284 -123.59,1284 ; -123.59,1450.67 -106.93,1450.67 -90.26,1434 -73.59,1450.67 -56.93,1450.67 -73.59,1467.33 -56.93,1484 -73.59,1484 -90.26,1500.67 -106.93,1484 -123.59,1484 -106.93,1467.33 -123.59,1450.67 ; -123.59,1617.33 -90.26,1584 -56.93,1617.33 -90.26,1650.67 -123.59,1617.33 ; -123.59,1750.67 -106.93,1750.67 -106.93,1734 -73.59,1734 -73.59,1750.67 -56.93,1750.67 -56.93,1784 -73.59,1784 -73.59,1800.67 -106.93,1800.67 -106.93,1784 -123.59,1784 -123.59,1750.67 ; -123.59,1950.67 -56.93,1950.67 -90.26,1884 -123.59,1950.67 ; -123.59,2034 -56.93,2034 -56.93,2100.67 -123.59,2100.67 -123.59,2034
  lines w15: -183.38,1239 10797.55,1239 ; -183.38,2439 10797.55,2439 ; 367.49,1089 367.49,2589 ; 957.34,1089 957.34,2589 ; 2057.02,1089 2057.02,2589 ; 2562.89,1089 2562.89,2589 ; 3296.69,1089 3296.69,2589 ; 4796.24,1089 4796.24,2589 ; 5386.09,1089 5386.09,2589 ; 6131.89,1089 6131.89,2589 ; 7231.57,1089 7231.57,2589 ; 8085.33,1089 8085.33,2589 ; 9418.94,1089 9418.94,2589 ; -183.38,1089 10797.55,1089 10797.55,2589 -183.38,2589 -183.38,1089
  text "Symbol" at -93.38,2484 h72
  text "Count" at 412.49,2484 h72
  text "Hole Size" at 1002.34,2484 h72
  text "Plated" at 2102.02,2484 h72
  text "Hole Type" at 2607.89,2484 h72
  text "Drill Layer Pair" at 3341.69,2484 h72
  text "Via/Pad" at 4841.24,2484 h72
  text "Pad Shape" at 5431.09,2484 h72
  text "Template" at 6176.89,2484 h72
  text "Description" at 7276.57,2484 h72
  text "Hole Tolerance (+)" at 8130.33,2484 h72
  text "Hole Tolerance (-)" at 9463.94,2484 h72
  text "1" at 412.49,2334 h60
  text "31.50mil (0.800mm)" at 1002.34,2334 h60
  text "NPTH" at 2102.02,2334 h60
  text "Round" at 2607.89,2334 h60
  text "Top Layer - Bottom Layer" at 3341.69,2334 h60
  text "Pad" at 4841.24,2334 h60
  text "Rounded" at 5431.09,2334 h60
  text "c80hn80m80p80" at 6176.89,2334 h60
  text "1" at 412.49,2184 h60
  text "31.50mil (0.800mm)" at 1002.34,2184 h60
  text "NPTH" at 2102.02,2184 h60
  text "Slot" at 2607.89,2184 h60
  text "Top Layer - Bottom Layer" at 3341.69,2184 h60
  text "Pad" at 4841.24,2184 h60
  text "Rounded" at 5431.09,2184 h60
  text "c80hn80_180m80p80" at 6176.89,2184 h60
  text "2" at 412.49,2034 h60
  text "80.00mil (2.032mm)" at 1002.34,2034 h60
  text "NPTH" at 2102.02,2034 h60
  text "Round" at 2607.89,2034 h60
  text "Top Layer - Bottom Layer" at 3341.69,2034 h60
  text "Pad" at 4841.24,2034 h60
  text "Rounded" at 5431.09,2034 h60
  text "c203hn203m103p303" at 6176.89,2034 h60
  text "2" at 412.49,1884 h60
  text "80.00mil (2.032mm)" at 1002.34,1884 h60
  text "PTH" at 2102.02,1884 h60
  text "Round" at 2607.89,1884 h60
  text "Top Layer - Bottom Layer" at 3341.69,1884 h60
  text "Pad" at 4841.24,1884 h60
  text "Rounded" at 5431.09,1884 h60
  text "c254h203p254" at 6176.89,1884 h60
  text "5" at 412.49,1734 h60
  text "30.00mil (0.762mm)" at 1002.34,1734 h60
  text "PTH" at 2102.02,1734 h60
  text "Round" at 2607.89,1734 h60
  text "Top Layer - Bottom Layer" at 3341.69,1734 h60
  text "Via" at 4841.24,1734 h60
  text "Rounded" at 5431.09,1734 h60
  text "v102h76" at 6176.89,1734 h60
  text "10" at 412.49,1584 h60
  text "27.56mil (0.700mm)" at 1002.34,1584 h60
  text "PTH" at 2102.02,1584 h60
  text "Round" at 2607.89,1584 h60
  text "Top Layer - Bottom Layer" at 3341.69,1584 h60
  text "Pad" at 4841.24,1584 h60
  text "Rounded" at 5431.09,1584 h60
  text "c100h70" at 6176.89,1584 h60
  text "30" at 412.49,1434 h60
  text "25.00mil (0.635mm)" at 1002.34,1434 h60
  text "PTH" at 2102.02,1434 h60
  text "Round" at 2607.89,1434 h60
  text "Top Layer - Bottom Layer" at 3341.69,1434 h60
  text "Pad" at 4841.24,1434 h60
  text "Rounded" at 5431.09,1434 h60
  text "c102h64" at 6176.89,1434 h60
  text "126" at 412.49,1284 h60
  text "10.00mil (0.254mm)" at 1002.34,1284 h60
  text "PTH" at 2102.02,1284 h60
  text "Round" at 2607.89,1284 h60
  text "Top Layer - Bottom Layer" at 3341.69,1284 h60
  text "Via" at 4841.24,1284 h60
  text "Rounded" at 5431.09,1284 h60
  text "v46h25m0mx0" at 6176.89,1284 h60
  text "177 Total" at 412.49,1134 h60
  text "Slot definitions :" at -93.38,989.03 h60
  text "Routed Path Length" at 939.31,989.03 h60
  text "= Calculated from tool start centre position to tool end centre position." at 2041.97,989.03 h60
  text "Hole Length" at 939.31,889.05 h60
  text "= Routed Path Length + Tool Size = Slot length as defined in the PCB layout" at 1632.1,889.05 h60

## Dimensions
0,500 to -5,-500 on Mechanical 1
0,505 to 1850,505 on Mechanical 1

## Text inside footprints (layer, text, board x,y; h text height)
MOD1: Mechanical 5 "Antenna Keepout" at 2489.95,430 h60 r270